# Altium PCB Badge.PcbDoc
Units mm, origin at the board's own origin, x right, y up, seen from the top; angles counter-clockwise.
Board outline 71.31 x 97.74 mm, 2 copper layers (Top Layer, Bottom Layer); 50 components, 59 nets, 216 pads, 3 vias.
Unrouted connection lines stored in the file: 36.
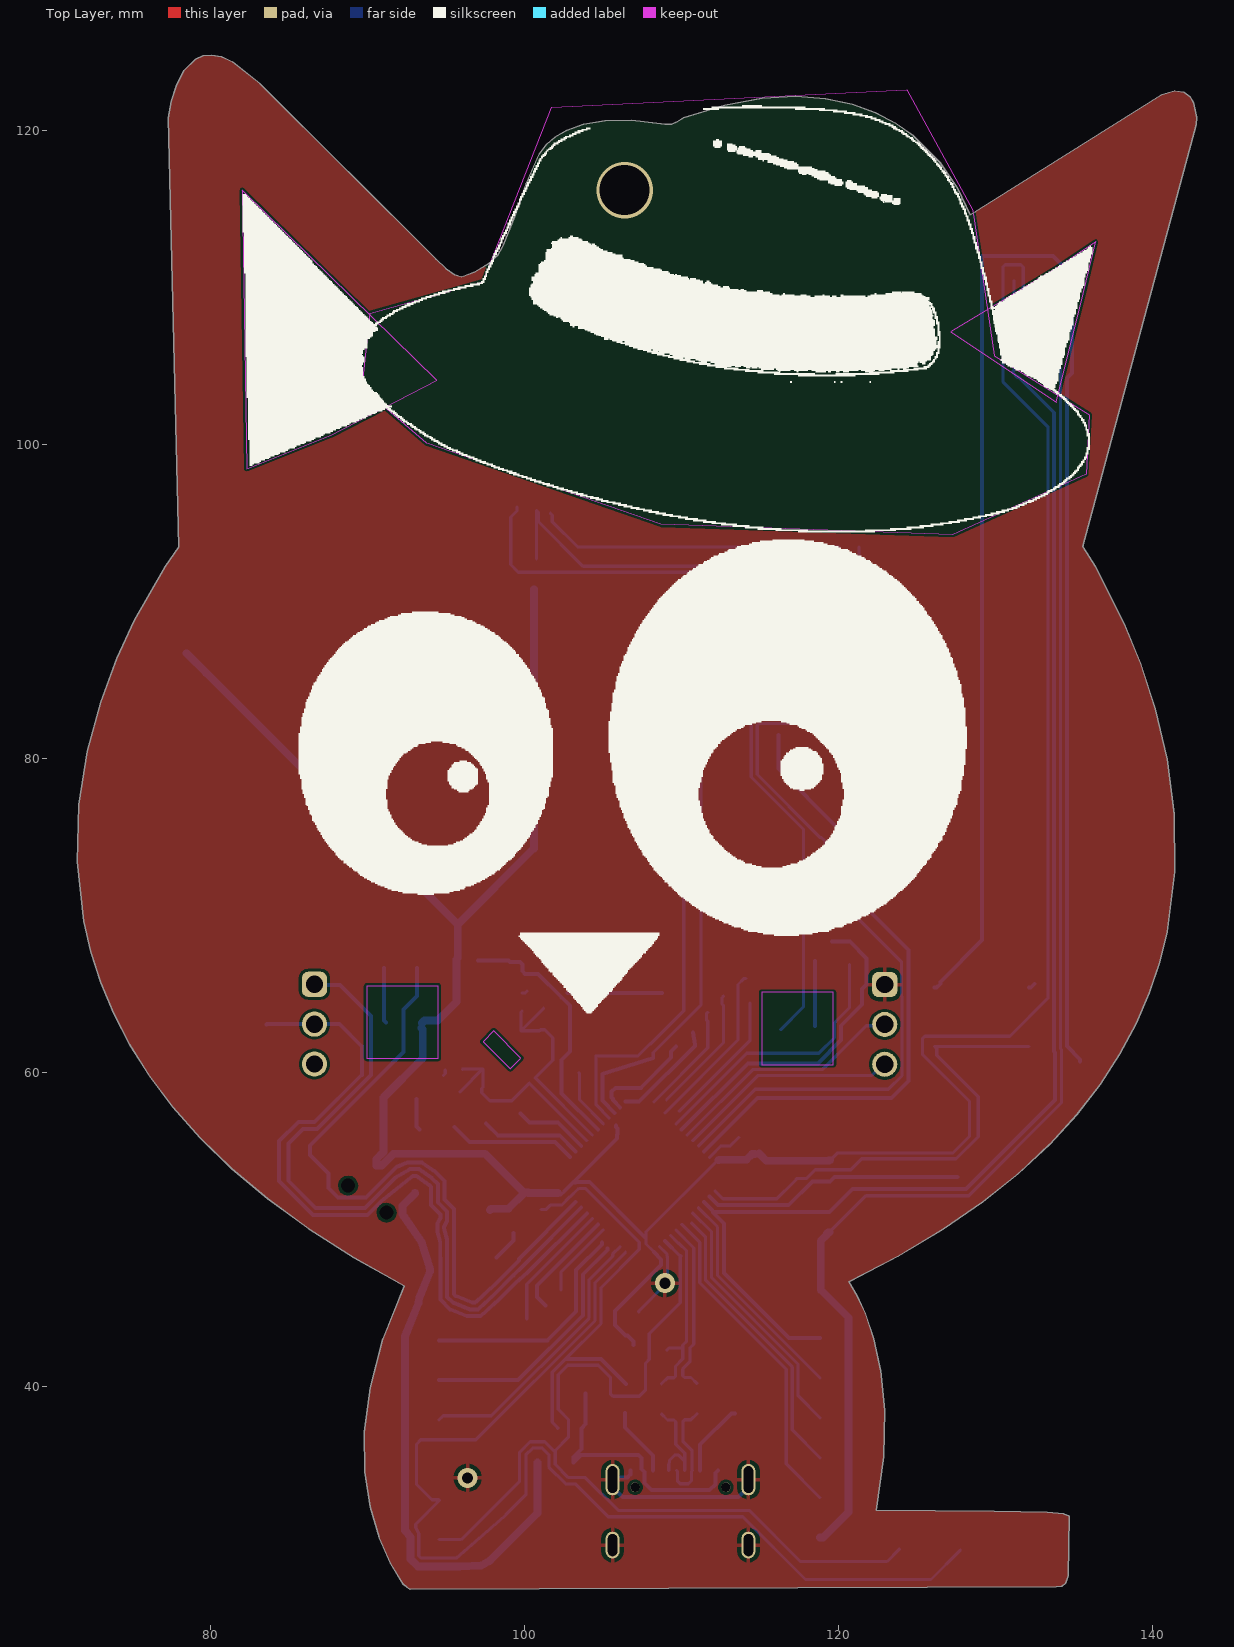
[diagram p0: Top Layer view]
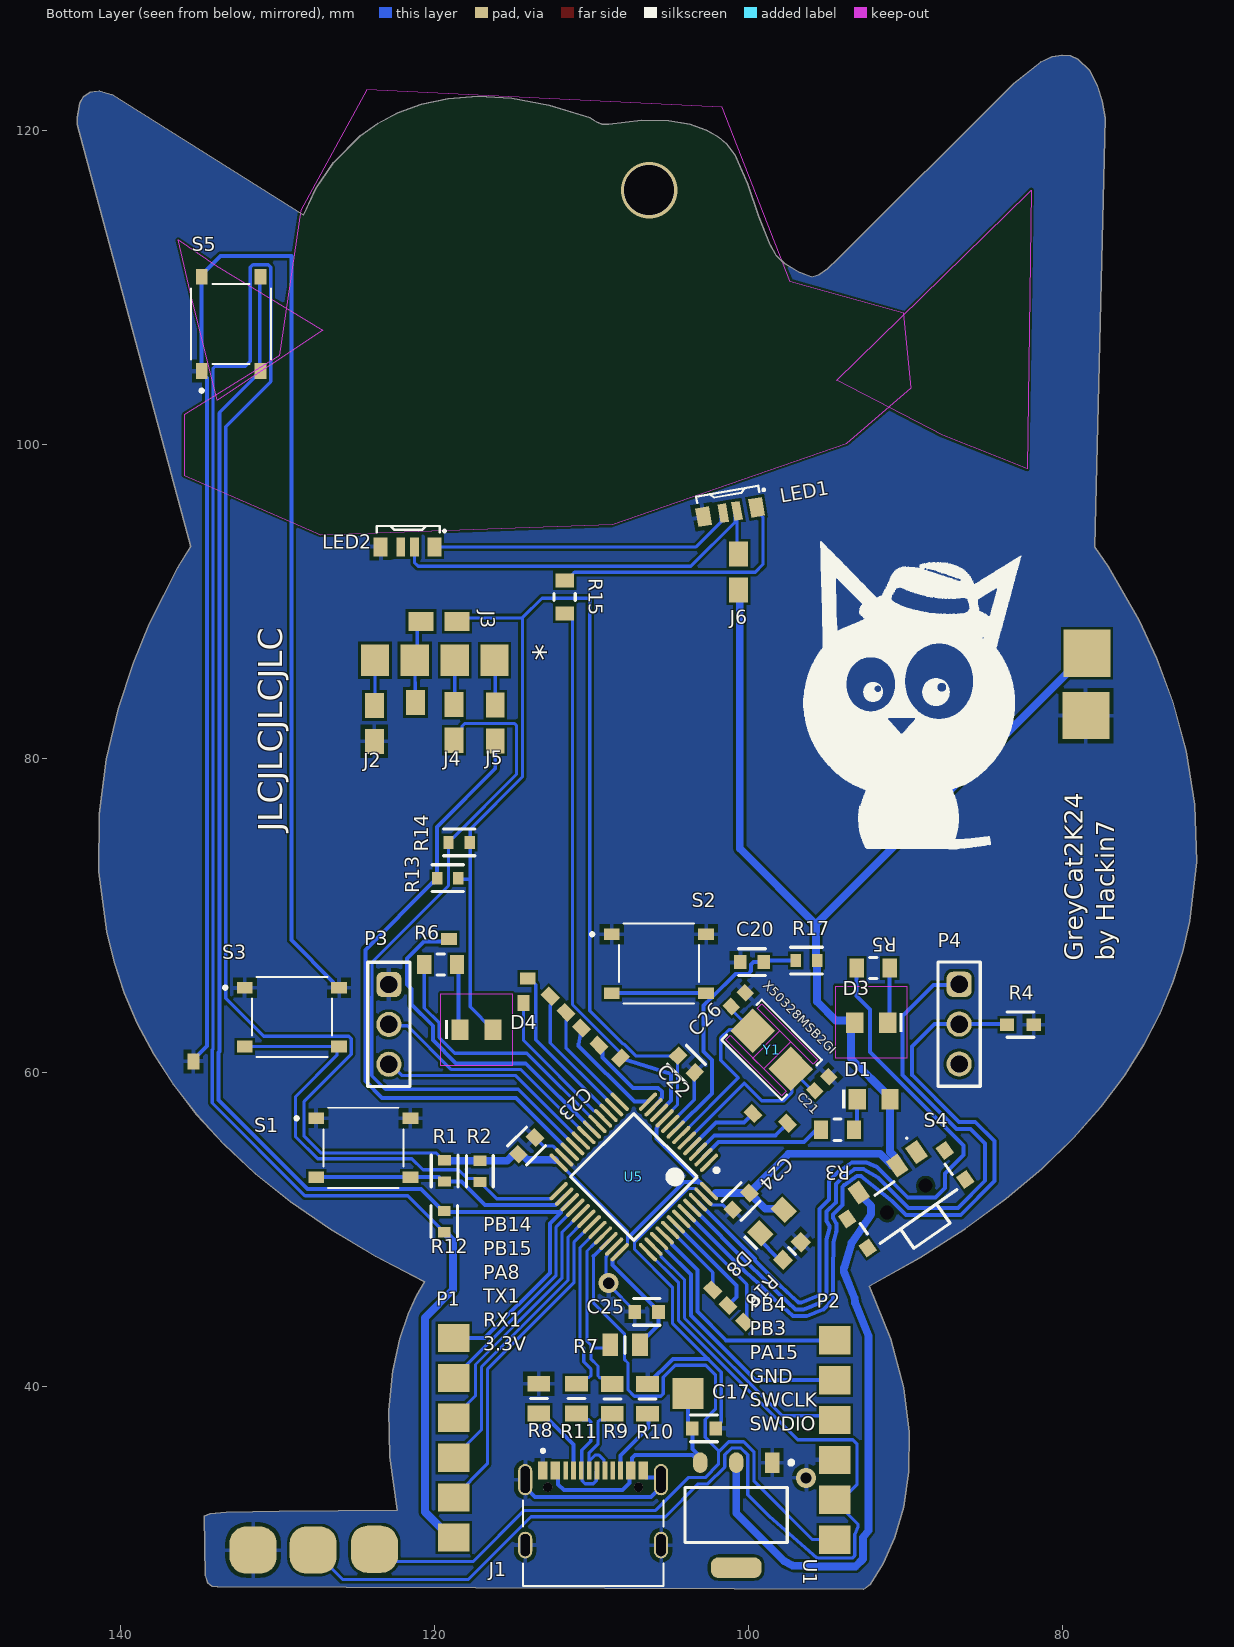
[diagram p1: Bottom Layer view, seen from below]
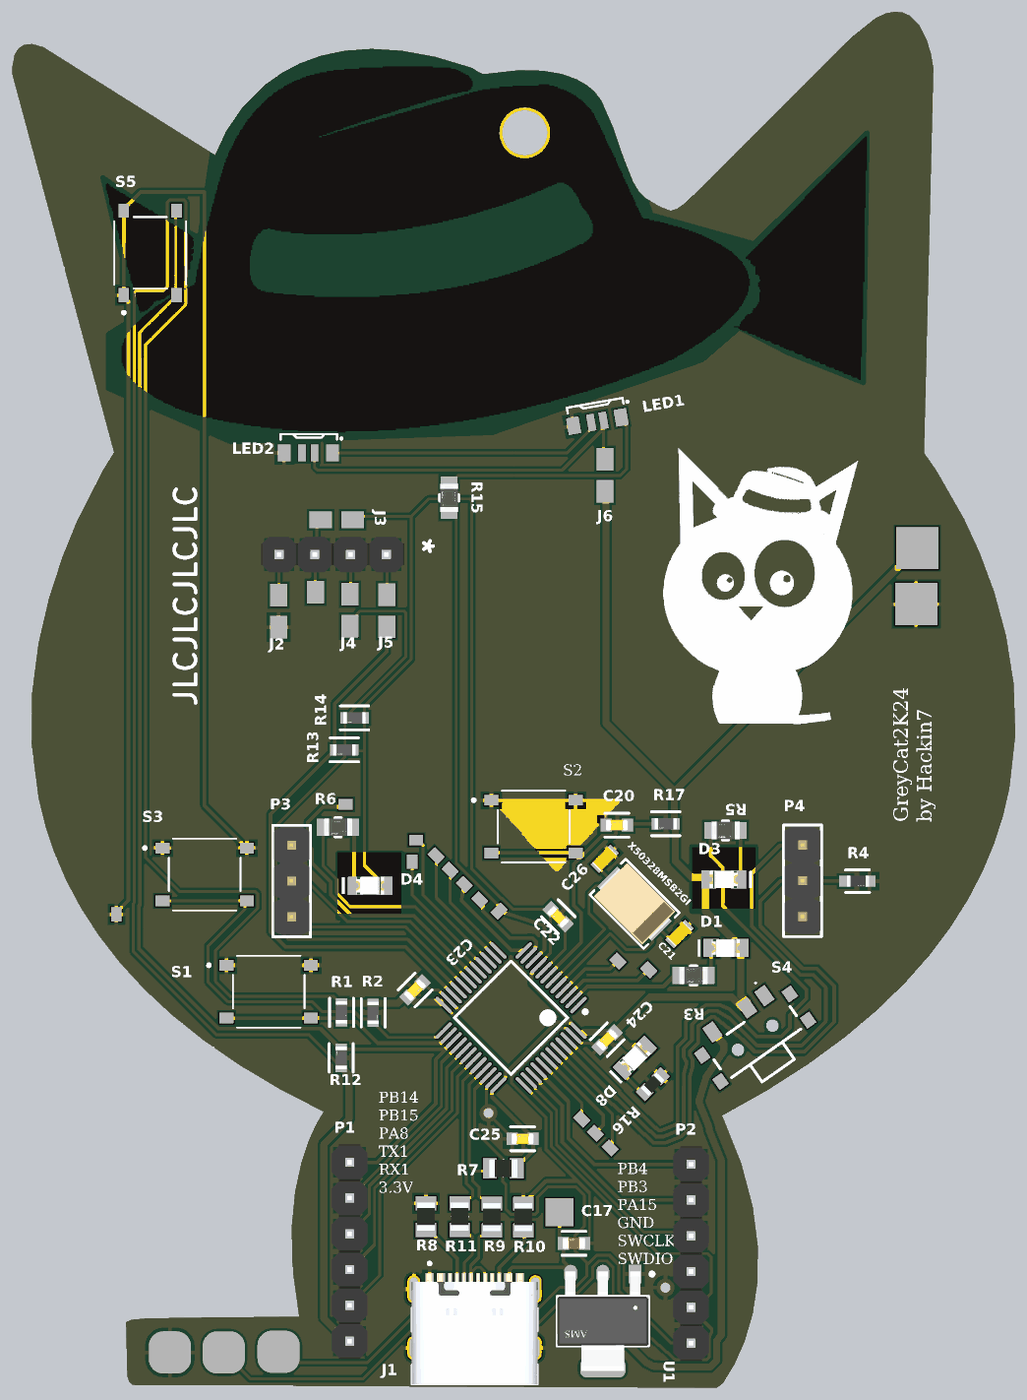
[diagram p2: 3D render of the assembled board from below, using the file's embedded part models]

## Layer stack, top to bottom
Top Solder: solder mask 0.0102, Solder Resist, Dk 3.5
Top Layer: signal copper 0.0356
Dielectric 1: dielectric 0.32, FR-4, Dk 4.8
Bottom Layer: signal copper 0.0356
Bottom Solder: solder mask 0.0102, Solder Resist, Dk 3.5

## Board outline
73.805,63.724 72.982,65.703 72.352,67.667 71.901,69.609 71.477,73.402 71.594,77.026 72.133,80.428 72.98,83.553 74.016,86.346 75.126,88.754 77.098,92.193 77.963,93.437 77.3,120.77 77.488,121.832 77.789,122.813 78.286,123.785 79.024,124.517 79.496,124.721 80.046,124.779 80.677,124.66 81.396,124.338 83.119,122.963 94.332,111.782 94.975,111.175 95.517,110.779 95.975,110.642 96.762,110.931 97.776,111.543 98.232,111.99 98.638,112.666 99.361,114.488 100.074,116.565 100.904,118.458 101.405,119.112 101.933,119.557 102.699,119.995 103.743,120.36 105.102,120.59 106.816,120.619 108.925,120.383 109.357,120.374 109.629,120.485 110.105,120.791 112.732,121.575 115.109,122.011 117.247,122.141 119.157,122.007 120.851,121.647 122.34,121.105 123.634,120.42 124.745,119.633 126.461,117.919 127.577,116.289 128.364,114.593 140.574,122.262 141.388,122.488 141.975,122.417 142.373,122.13 142.617,121.711 142.788,120.803 142.78,120.354 135.545,93.481 136.356,92.165 138.193,88.552 139.216,86.04 140.161,83.142 140.914,79.919 141.364,76.435 141.4,72.752 140.91,68.933 140.432,66.991 139.78,65.039 138.942,63.084 137.901,61.134 136.645,59.197 135.16,57.281 133.431,55.393 131.444,53.541 129.186,51.733 126.643,49.977 123.8,48.281 120.644,46.653 121.184,45.742 121.699,44.604 122.231,43.011 122.674,40.963 122.919,38.461 122.859,35.505 122.385,32.095 129.909,32.023 133.287,31.967 134.316,31.87 134.692,31.701 134.607,27.909 134.46,27.448 134.2,27.249 133.842,27.217 92.695,27.04 92.257,27.367 91.443,28.707 90.713,30.352 90.142,32.298 89.807,34.54 89.781,37.073 90.142,39.892 90.964,42.992 92.324,46.37 89.104,48.176 86.208,50.028 83.623,51.921 81.333,53.846 79.324,55.797 77.581,57.767 76.09,59.749 74.836,61.737

## Design rules (kind name [scope] priority, off if disabled: settings)
Clearance Clearance_CUSTOM_1 [OnMid vs OnMid] p1: gap=0.175 ignorepadtopadclearanceinfootprint=FALSE
Clearance Clearance_CUSTOM_2 [(ExistsOnLayer('Top Layer') Or ExistsOnLayer('Bottom Layer')) vs (ExistsOnLayer('Top Layer') Or ExistsOnLayer('Bottom Layer'))] p2: gap=0.175 ignorepadtopadclearanceinfootprint=FALSE
Clearance Clearance_CUSTOM [All] p3: gap=0.175 ignorepadtopadclearanceinfootprint=FALSE
Clearance Clearance_1 [OnMid vs OnMid] p4: gap=0.175 ignorepadtopadclearanceinfootprint=FALSE sourcerule=44 cellrowname=All cellrowtype=0 cellcolname=All cellcoltype=0 innerlayers=TRUE
Clearance Clearance_2 [(ExistsOnLayer('Top Layer') Or ExistsOnLayer('Bottom Layer')) vs (ExistsOnLayer('Top Layer') Or ExistsOnLayer('Bottom Layer'))] p5: gap=0.175 ignorepadtopadclearanceinfootprint=FALSE sourcerule=44 cellrowname=All cellrowtype=0 cellcolname=All cellcoltype=0 outerlayers=TRUE
Clearance [All] p6: gap=0.254 ignorepadtopadclearanceinfootprint=FALSE ismatrix=TRUE
DiffPairsRouting [All] p1: maxlimit=0.254 minlimit=0.254 mostfreqgap=0.254 toplayer_minwidth=0.2 toplayer_maxwidth=0.381 toplayer_prefwidth=0.381 bottomlayer_minwidth=0.2 bottomlayer_maxwidth=0.381 bottomlayer_prefwidth=0.381 maxuncoupledlength=12.7
HoleSize [All] p1: absolutevalues=TRUE maxlimit=5 minlimit=0.025 maxpercent=80.000 minpercent=20.000
MinimumSolderMaskSliver [All] p1: minsoldermaskwidth=0
PolygonConnect [All] p1: connectstyle=Relief reliefconductorwidth=0.254 reliefentries=4 polygonreliefangle="90 Angle" airgapwidth=0.254
RoutingVias [All] p1: holewidth=0.711 width=1.27 viastyle="Through Hole" minholewidth=0.711 minwidth=1.27 maxholewidth=0.711 maxwidth=1.27
SilkToSolderMaskClearance [IsPad] p1: minsilkscreentomaskgap=0.18 clearancetoexposedcopper=TRUE
SolderMaskExpansion [All] p1: expansion=0.102 istentingtop=FALSE
SupplyNets "Schematic Supply Nets" [InNet('VCC3V3')] p1: voltage=0.000
SupplyNets "Schematic Supply Nets_1" [InNet('GND')] p2: voltage=0.000
SupplyNets "Schematic Supply Nets_7" [InNet('5V')] p3: voltage=0.000
SupplyNets "Schematic Supply Nets_6" [InNet('3V3_USB')] p4: voltage=0.000
SupplyNets "Schematic Supply Nets_5" [InNet('3V3_BATT')] p5: voltage=0.000
Width [All] p1: maxlimit=0.6 minlimit=0.2 preferedwidth=0.254 minimp=50.000000 maximp=50.000000 favimp=50.000000
26 further rules are at their usual default settings.

## Classes and differential pairs
component class U_BluePill: C17 C20 C21 C22 C23 C24 C25 C26 D1 D8 J1 R3 R4 R7 R8 R9 R10 R11 R16 R17 S2 S4 U1 U3 U5 Y1
component class Main: * D3 D4 J2 J3 J4 J5 J6 LED1 LED2 P1 P2 P3 P4 R1 R2 R5 R6 R12 R13 R14 R15 S1 S3 S5
differential pair D_USB: +USB_P -USB_N
differential pair D_CONN_USB: +CONN_USB_P -CONN_USB_N

## Components (designator, comment, footprint, x,y, rotation, side; value= is the part's Value field where it differs from the comment)
* "Header 1x4" "Header 1x4" 118.735,86.225 r180 bottom
C17 "223, 0603" FP-CC0603-DA-MFG 102.85,37.3 r180 bottom
C20 "105, 0603" FP-CC0603-DA-MFG 99.8,67 r0 bottom value="1 uF"
C21 "20p, 0603" CAPC1608X90X30LL10T20 95.349,59.262 r315 bottom
C22 "104, 0603" FP-CC0603-DA-MFG 103.975,60.5 r225 bottom value="100 nF"
C23 "104, 0603" FP-CC0603-DA-MFG 114.15,55.3 r135 bottom value="100 nF"
C24 "104, 0603" FP-CC0603-DA-MFG 100.49,51.766 r315 bottom value="100 nF"
C25 "104, 0603" FP-CC0603-DA-MFG 106.5,44.725 r0 bottom value="100 nF"
C26 "20p, 0603" CAPC1608X90X30LL10T20 100.665,64.615 r315 bottom
D1 "150060RS75000" WL-SMCW_0805_150080xx75000 92.05,58.275 r180 bottom
D3 "150060RS75000" WL-SMCW_0805_150080xx75000 92.2,63.15 r0 bottom
D4 "150060RS75000" WL-SMCW_0805_150080xx75000 117.35,62.7 r180 bottom
D8 "150060RS75000" WL-SMCW_0805_150080xx75000 98.525,50.475 r135 bottom
J1 "TYPE-C-31-M-12" HRO_TYPE-C-31-M-12 109.915,29.87 r180 bottom
J2 "J?" SOLDER_BRIDGE_OPEN 123.85,82.2 r270 bottom
J3 "J?" SOLDER_BRIDGE_OPEN 119.725,88.7 r180 bottom
J4 "J?" SOLDER_BRIDGE_OPEN 118.775,82.275 r270 bottom
J5 "J?" SOLDER_BRIDGE_OPEN 116.15,82.225 r270 bottom
J6 "J?" SOLDER_BRIDGE_OPEN 100.65,91.85 r90 bottom
LED1 "SK6812SIDE-A-RVS" LED-SMD_4P-L4.0-W1.6-L 101.419,95.89 r350 bottom
LED2 "SK6812SIDE-A-RVS" LED-SMD_4P-L4.0-W1.6-L 121.925,93.7 r0 bottom
P1 "Header 1x6" 1x6_debug 118.8,35.435 r90 bottom
P2 "Header 1x6" 1x6_debug 94.525,35.295 r90 bottom
P3 "SWD" 61300311121 122.925,63.035 r270 bottom
P4 "BOOT0" 61300311121 86.6,63.05 r270 bottom
R1 "10K, 0603" FP-RC0603-0_55-IPC_C 119.375,53.7 r270 bottom
R2 "10K, 0603" FP-RC0603-0_55-IPC_C 117.125,53.675 r270 bottom
R3 "470, 0805" FP-RT0805-MFG 94.35,56.325 r0 bottom value=470Ω
R4 "100K, 0603" FP-RT0603-MFG 82.7,63.025 r180 bottom value=100KΩ
R5 "470, 0805" FP-RT0805-MFG 92.075,66.625 r0 bottom value=470Ω
R6 "470, 0805" FP-RT0805-MFG 119.625,66.85 r0 bottom value=470Ω
R7 "0805W8F1501T5E" RESC2013X65N 107.875,42.625 r180 bottom
R8 "0805W8F5101T5E" RESC2013X65N 113.375,39.2 r270 bottom
R9 "0805W8F200JT5E" RESC2013X65N 108.696,39.175 r90 bottom
R10 "0805W8F5101T5E" RESC2013X65N 106.45,39.175 r90 bottom
R11 "0805W8F200JT5E" RESC2013X65N 110.975,39.2 r90 bottom
R12 "10K, 0603" FP-RC0603-0_55-IPC_C 119.4,50.475 r90 bottom
R13 "10K, 0603" FP-RC0603-0_55-IPC_C 119.177,72.35 r0 bottom
R14 "10K, 0603" FP-RC0603-0_55-IPC_C 118.45,74.625 r0 bottom
R15 "470, 0805" FP-RT0805-MFG 111.725,90.25 r90 bottom value=470Ω
R16 "0603WAF1001T5E" RESC1608X55N 97.25,48.6 r135 bottom
R17 "10K, 0603" FP-RC0603-0_55-IPC_C 96.325,67.1 r0 bottom
S1 "TS-1187A-B-A-B" SW_TS-1187A-B-A-B 124.55,55.175 r180 bottom
S2 "TS-1187A-B-A-B" SW_TS-1187A-B-A-B 105.725,66.9 r180 bottom
S3 "TS-1187A-B-A-B" SW_TS-1187A-B-A-B 129.1,63.5 r180 bottom
S4 "MK-12C02-G020" MK12C02G020 89.967,51.903 r325 bottom
S5 "TS-1187A-B-A-B" SW_TS-1187A-B-A-B 132.975,107.65 r90 bottom
U1 "AMS1117-3.3" FP-AMS1117-IPC_B 100.8,31.775 r270 bottom
U5 "STM32F103C8T6" STM-LQFP48_L 107.323,53.319 r315 bottom
Y1 "X50328MSB2GI" XTAL_MSB2GI_YXC 98.54,61.412 r45 bottom

## Footprints (in the part's own frame and the unit in brackets; to place one, negate y for a bottom-side part, rotate by r counter-clockwise, add the part's x,y. Pads: shape width x height; smd on the part's side, far side on the other; paste and mask are expansions set on the pad)
1x6_debug [mm] "2.54mm"
  rect 1.8x2 smd paste+0 mask+0.051: 1(-5.08,0) 2(-2.54,0) 3(0,0) 4(2.54,0) 5(5.08,0) 6(7.62,0)
  body extent -6.35,-1.27 8.89,1.27, height 8.6
61300311121 [mm] "Pin Header, pitch 2.54 mm, THT, Vertical, single row, 3p"
  rrect50% 1.6x1.6 hole 1.1: 1(-2.54,0)
  round 1.6 hole 1.1: 2(0,0) 3(2.54,0)
  silkscreen extent -3.96,-1.35 3.96,1.35, body extent -3.81,-1.27 3.81,1.27, height 8.57
CAPC1608X90X30LL10T20 [mm] "Chip Capacitor, 2-Leads, Body 1.70x0.90mm, IPC High Density"
  rect 0.75x0.85 smd: 1(-0.625,0) 2(0.625,0)
  body extent -0.85,-0.45 0.85,0.45, height 0.9
FP-AMS1117-IPC_B [mm]
  rect 1.304x0.912 smd paste+0 mask+0: 1(-3.345,2.29)
  rrect100% 1.304x0.912 smd paste+0 mask+0: 2(-3.345,0) 3(-3.345,-2.29)
  rrect70% 1.304x3.222 smd paste+0 mask+0: 4(3.345,0)
  silkscreen extent -3.47,-3.25 1.75,3.62, body extent -3.53,-3.25 3.53,3.25, height 1.8
FP-CC0603-DA-MFG [mm]
  rect 0.8x0.9 smd paste+0 mask+0: 1(-0.75,0) 2(0.75,0)
  silkscreen extent -0.85,-0.85 0.85,0.85, body extent -0.8,-0.4 0.8,0.4, height 0.9
FP-RC0603-0_55-IPC_C [mm]
  rect 0.659x0.812 smd paste+0 mask+0: 1(-0.677,0) 2(0.677,0)
  silkscreen extent -1.01,-0.85 1.01,0.85, body extent -0.8,-0.4 0.8,0.4, height 0.55
FP-RT0603-MFG [mm]
  rect 0.9x0.8 smd paste+0 mask+0: 1(-0.85,0) 2(0.85,0)
  silkscreen extent -0.85,-0.81 0.86,0.8, body extent -0.76,-0.4 0.84,0.4, height 0.58
FP-RT0805-MFG [mm]
  rect 0.9x1.2 smd paste+0 mask+0: 1(-1.05,0) 2(1.05,0)
  silkscreen extent -0.23,-0.67 0.23,0.67, body extent -1,-0.63 1,0.63, height 0.6
"Header 1x4" [mm] "2.54mm"
  rect 1.8x2 smd paste+0 mask+0.051: 1(-5.08,0) 2(-2.54,0) 3(0,0) 4(2.54,0)
  body extent -6.35,-1.27 3.81,1.27, height 8.6
HRO_TYPE-C-31-M-12 [mm]
  rect 0.6x1.14 smd mask+0.05: A1_B12(-3.2,4.75) A4_B9(-2.4,4.75) B1_A12(3.2,4.75) B4_A9(2.4,4.75)
  rect 0.3x1.14 smd mask+0.05: A5(-1.25,4.75) A6(-0.25,4.75) A7(0.25,4.75) A8(1.25,4.75) B5(1.75,4.75) B6(0.75,4.75) B7(-0.75,4.75) B8(-1.75,4.75)
  oval 0.9x2 hole 0.6 slot 1.7 at 90 deg: S1(-4.325,4.17) S2(4.325,4.17)
  oval 0.9x1.7 hole 0.6 slot 1.4 at 90 deg: S3(-4.325,0) S4(4.325,0)
  round 0.6 hole 0.6 unplated: ""(-2.89,3.68) ""(2.89,3.68)
  silkscreen extent -4.47,-2.6 4.47,6.1, body extent -4.47,-2.6 4.47,5.31, height 3.31
LED-SMD_4P-L4.0-W1.6-L [mm]
  rect 0.9x1.2 smd paste+0 mask+0.051: 1(-1.905,0.254) 4(1.524,0.254)
  rect 0.55x1.2 smd paste+0 mask+0.051: 2(-0.635,0.254) 3(0.254,0.254)
  silkscreen extent -2.61,-1.08 1.78,-0.68
MK12C02G020 [mm]
  rect 0.9x1.25 smd: 1(-2.25,-2.075) 2(-0.75,-2.075) 3(2.25,-2.075)
  round 0.45 hole 0.9 unplated: MH1(-1.5,0) MH2(1.5,0)
  rect 0.8x0.93 smd: MP1(-3.8,-1.135) MP2(-3.8,1.135) MP3(3.8,-1.135) MP4(3.8,1.135)
  silkscreen extent -3.3,-3.21 3.3,2.85
RESC1608X55N [mm]
  rect 0.9x0.95 smd: 1(-0.8,0) 2(0.8,0)
  silkscreen extent 0,-0.3 0,0.3, body extent -0.8,-0.4 0.8,0.4, height 0.55
RESC2013X65N [mm]
  rect 1x1.45 smd: 1(-0.95,0) 2(0.95,0)
  silkscreen extent 0,-0.54 0,0.54, body extent -1,-0.64 1,0.64, height 0.65
SOLDER_BRIDGE_OPEN [mm]
  rect 1.6x1.2 smd paste+0 mask+0.051: 1(-1.143,0) 2(1.143,0)
STM-LQFP48_L [mm] "QFP, 48-Leads, Body 7x7mm, Pitch 0.5mm, IPC High Density"
  oval 1.55x0.25 smd: 1(-4.025,2.75) 2(-4.025,2.25) 3(-4.025,1.75) 4(-4.025,1.25) 5(-4.025,0.75) 6(-4.025,0.25) 7(-4.025,-0.25) 8(-4.025,-0.75) 9(-4.025,-1.25) 10(-4.025,-1.75) 11(-4.025,-2.25) 12(-4.025,-2.75) 25(4.025,-2.75) 26(4.025,-2.25) 27(4.025,-1.75) 28(4.025,-1.25) 29(4.025,-0.75) 30(4.025,-0.25) 31(4.025,0.25) 32(4.025,0.75) 33(4.025,1.25) 34(4.025,1.75) 35(4.025,2.25) 36(4.025,2.75)
  oval 0.25x1.55 smd: 13(-2.75,-4.025) 14(-2.25,-4.025) 15(-1.75,-4.025) 16(-1.25,-4.025) 17(-0.75,-4.025) 18(-0.25,-4.025) 19(0.25,-4.025) 20(0.75,-4.025) 21(1.25,-4.025) 22(1.75,-4.025) 23(2.25,-4.025) 24(2.75,-4.025) 37(2.75,4.025) 38(2.25,4.025) 39(1.75,4.025) 40(1.25,4.025) 41(0.75,4.025) 42(0.25,4.025) 43(-0.25,4.025) 44(-0.75,4.025) 45(-1.25,4.025) 46(-1.75,4.025) 47(-2.25,4.025) 48(-2.75,4.025)
  silkscreen extent -4.15,-2.85 2.85,3.55, body extent -3.5,-3.5 3.5,3.5, height 1.6
SW_TS-1187A-B-A-B [mm]
  rect 1x0.75 smd: A(-3,1.875) B(3,1.875) C(-3,-1.875) D(3,-1.875)
  silkscreen extent -4.35,-2.55 2.55,2.55
WL-SMCW_0805_150080xx75000 [mm] "SMD Mono-color Chip LED, body 2.0x1.25mm"
  rect 1.1x1.3 smd: 1(-1.05,0) 2(1.05,0)
  silkscreen extent -2,-0.6 -1.8,0.6, body extent -1,-0.63 1,0.62, height 0.7
XTAL_MSB2GI_YXC [mil]
  rect 80x79 smd paste+0 mask+0: 1(-67.5,0) 2(67.5,0)
  Top Layer keep-out region: -99.5,-64 -99.5,-48 99.5,-48 99.5,-64
  Top Layer keep-out region: -99.5,48 -99.5,64 99.5,64 99.5,48
  Top Layer keep-out region: -19,-48 -19,48 19,48 19,-48
  Keep-Out Layer region: -19,-48 -19,48 19,48 19,-48
  silkscreen extent -107,-71 107,71, body extent -101,-66 101,66, height 55
